# KiCad board PowerRF-AMP.kicad_pcb
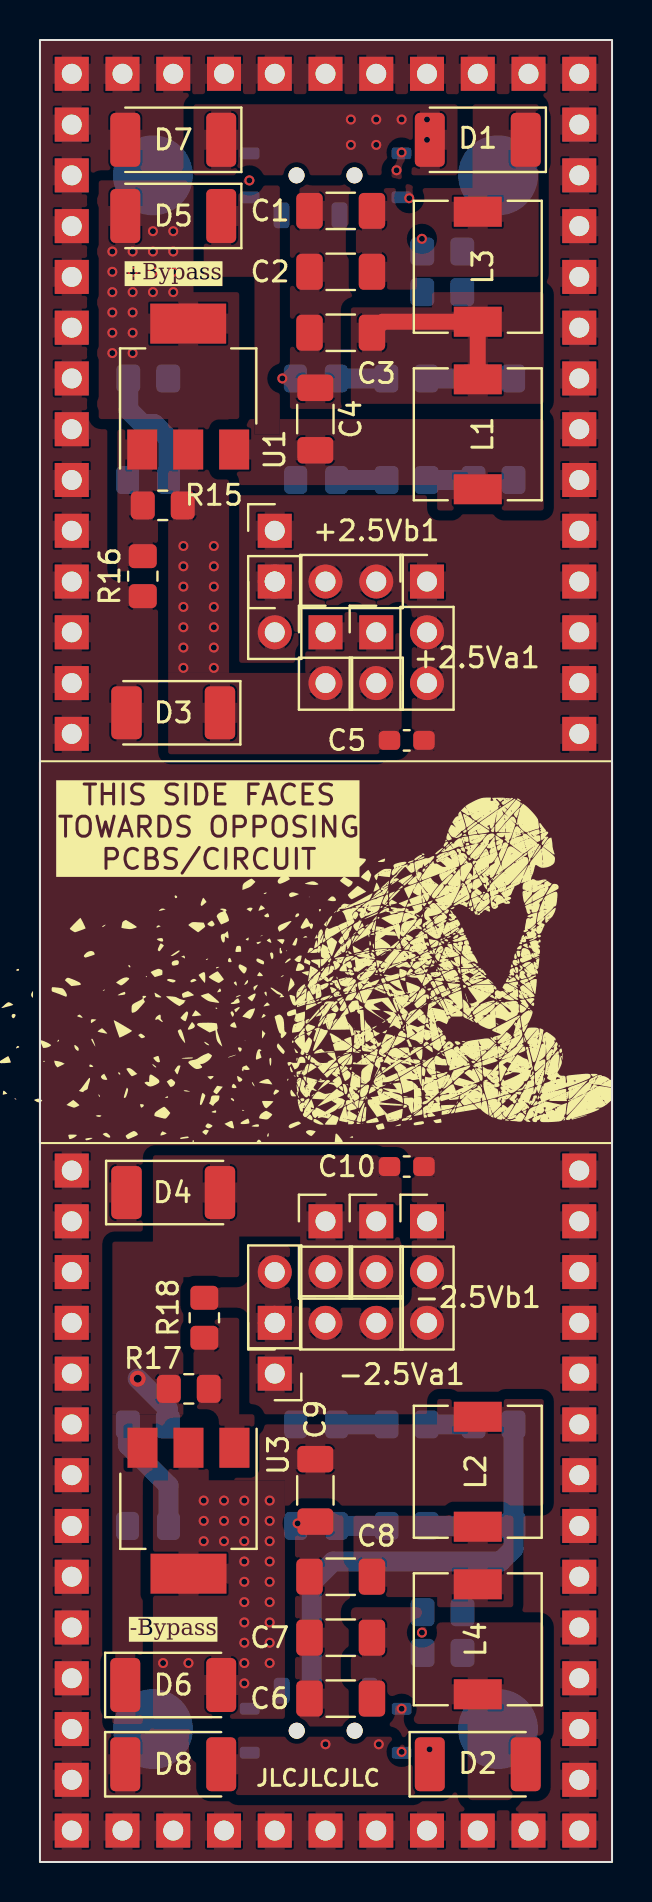
[diagram p0: board, top side]
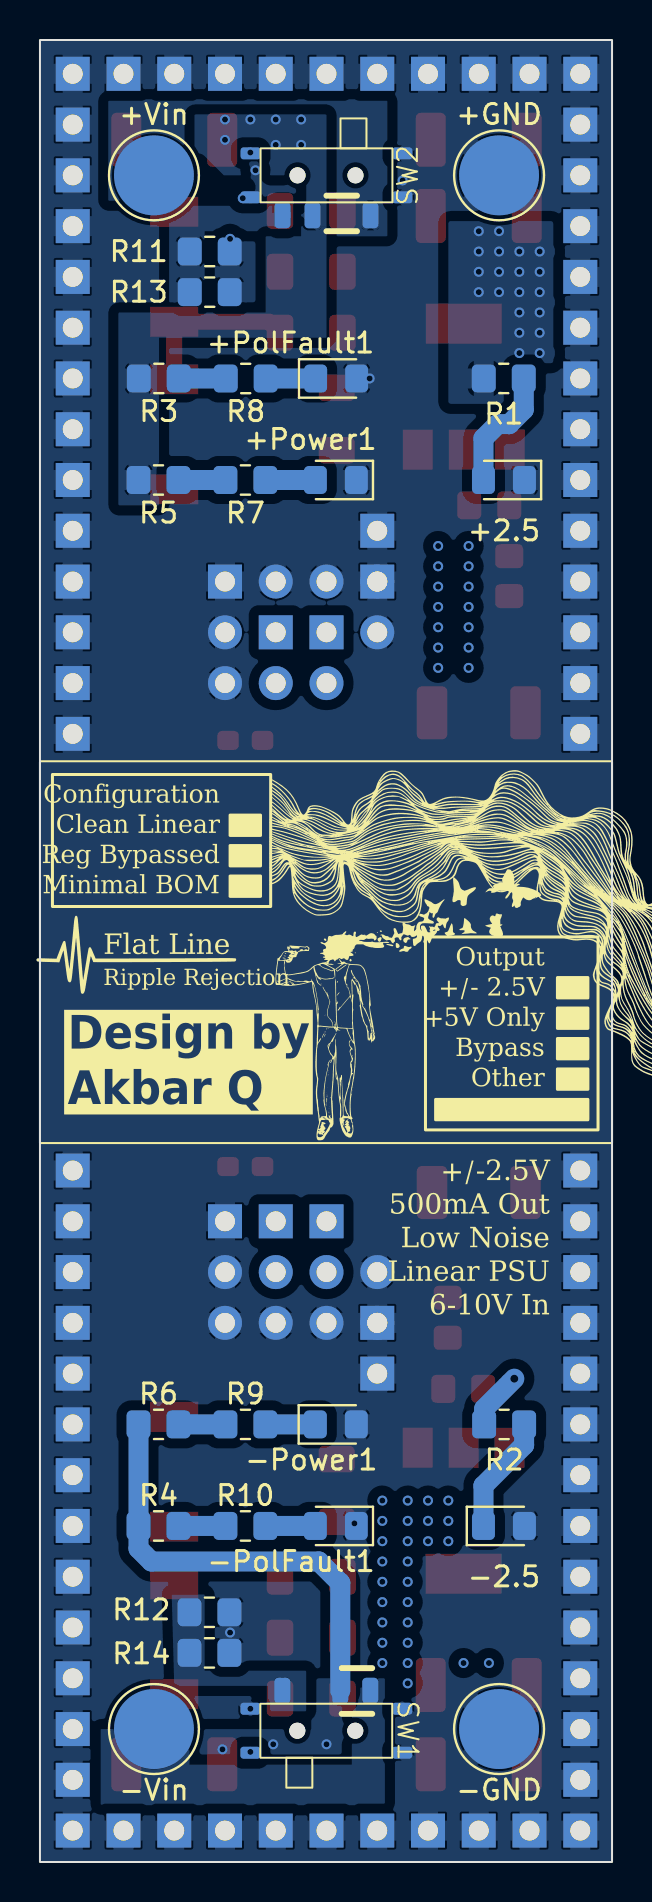
[diagram p1: board, bottom side, seen from below]

Outline 28.63 x 91.15 mm; copper layers: Top, In1.Cu, In2.Cu, Bottom. Coordinates in mm from the lower left corner of the outline.
Outline path: rectangle 0,91.15 28.63,0
Stack: Top 0.035mm / dielectric 0.1mm FR4 er 4.5 / In1.Cu 0.035mm / dielectric 1.24mm FR4 er 4.5 / In2.Cu 0.035mm / dielectric 0.1mm FR4 er 4.5 / Bottom 0.035mm

## Placement (name value [footprint] x y rotation side)
+2.5  LED  [LED_0805_2012Metric_Pad1.15x1.40mm_HandSolder]  5.41 69.14 0 bottom
+2.5Va1  Conn_01x02_Pin  [PinHeader_1x02_P2.54mm_Vertical]  14.29 61.52 0 top
+2.5Vb1  Conn_01x02_Pin  [PinHeader_1x02_P2.54mm_Vertical]  16.83 61.52 0 top
+G1  Conn_01x03  [PinHeader_1x03_P2.54mm_Vertical]  11.75 66.6 0 top
+G2  Conn_01x03  [PinHeader_1x03_P2.54mm_Vertical]  11.75 64.06 90 top
+G3  Conn_01x03  [PinHeader_1x03_P2.54mm_Vertical]  19.37 64.06 0 top
+GND  TestPoint  [TestPoint_Pad_D4.0mm]  5.65 84.38 180 bottom
+PolFault1  LED  [LED_0805_2012Metric_Pad1.15x1.40mm_HandSolder]  13.81 74.21 180 bottom
+Power1  LED  [LED_0805_2012Metric_Pad1.15x1.40mm_HandSolder]  13.82 69.14 0 bottom
+Vin  TestPoint  [TestPoint_Pad_D4.0mm]  22.93 84.38 180 bottom
-2.5  LED  [LED_0805_2012Metric_Pad1.15x1.40mm_HandSolder]  5.41 16.81 180 bottom
-2.5Va1  Conn_01x02_Pin  [PinHeader_1x02_P2.54mm_Vertical]  14.29 32.05 0 top
-2.5Vb1  Conn_01x02_Pin  [PinHeader_1x02_P2.54mm_Vertical]  16.83 32.05 0 top
-G1  Conn_01x03  [PinHeader_1x03_P2.54mm_Vertical]  19.37 32.05 0 top
-G2  Conn_01x03  [PinHeader_1x03_P2.54mm_Vertical]  11.75 26.97 90 top
-G3  Conn_01x03  [PinHeader_1x03_P2.54mm_Vertical]  11.75 24.43 180 top
-GND  TestPoint  [TestPoint_Pad_D4.0mm]  5.65 6.65 0 bottom
-PolFault1  LED  [LED_0805_2012Metric_Pad1.15x1.40mm_HandSolder]  13.82 16.81 0 bottom
-Power1  LED  [LED_0805_2012Metric_Pad1.15x1.40mm_HandSolder]  13.82 21.89 180 bottom
-Vin  TestPoint  [TestPoint_Pad_D4.0mm]  22.93 6.65 0 bottom
C1  2.2u  [C_1206_3216Metric_Pad1.33x1.80mm_HandSolder]  15.05 82.6 180 top
C2  2.2u  [C_1206_3216Metric_Pad1.33x1.80mm_HandSolder]  15.05 79.55 180 top
C3  2.2u  [C_1206_3216Metric_Pad1.33x1.80mm_HandSolder]  15.05 76.5 180 top
C4  2.2u  [C_1206_3216Metric_Pad1.33x1.80mm_HandSolder]  13.78 72.18 90 top
C5  100n  [C_0603_1608Metric_Pad1.08x0.95mm_HandSolder]  18.35 56.11 0 top
C6  2.2u  [C_1206_3216Metric_Pad1.33x1.80mm_HandSolder]  15.05 8.18 180 top
C7  2.2u  [C_1206_3216Metric_Pad1.33x1.80mm_HandSolder]  15.05 11.22 180 top
C8  2.2u  [C_1206_3216Metric_Pad1.33x1.80mm_HandSolder]  15.05 14.27 180 top
C9  2.2u  [C_1206_3216Metric_Pad1.33x1.80mm_HandSolder]  13.78 18.59 270 top
C10  100n  [C_0603_1608Metric_Pad1.08x0.95mm_HandSolder]  18.35 34.79 0 top
D1  Diode  [D_MELF]  21.91 86.15 180 top
D2  Diode  [D_MELF]  21.91 4.89 0 top
D3  D_Zener  [D_2010_5025Metric_Pad1.52x2.65mm_HandSolder]  6.67 57.49 180 top
D4  D_Zener  [D_2010_5025Metric_Pad1.52x2.65mm_HandSolder]  6.67 33.49 0 top
D5  Bypass  [D_MELF]  6.67 82.34 180 top
D6  Bypass  [D_MELF]  6.67 8.86 0 top
D7  PolFaultClamp-DNP  [D_MELF]  6.67 86.15 180 top
D8  PolFaultClamp-DNP  [D_MELF]  6.67 4.89 0 top
G***  -  [LOGO]  11.11 44.62 0 top
G***#2  -  [LOGO]  2.48 45.51 270 bottom
G***#3  -  [LOGO]  10.73 42.85 180 bottom
G***#4  -  [LOGO]  23.82 45.39 180 bottom
L1  L  [L_6.3x6.3_H3]  21.91 71.42 270 top
L2  L  [L_6.3x6.3_H3]  21.91 19.52 90 top
L3  L  [L_6.3x6.3_H3]  21.91 79.8 270 top
L4  L  [L_6.3x6.3_H3]  21.91 11.14 90 top
NOREF  -  [unnamed]  1.59 84.38 0 top
NOREF#2  -  [unnamed]  1.59 34.59 180 top
NOREF#3  -  [unnamed]  26.99 69.14 0 top
NOREF#4  -  [unnamed]  26.99 74.22 0 top
NOREF#5  -  [unnamed]  26.99 64.06 0 top
NOREF#6  -  [unnamed]  14.29 89.46 0 top
NOREF#7  -  [unnamed]  26.99 71.68 0 top
NOREF#8  -  [unnamed]  26.99 24.43 180 top
NOREF#9  -  [unnamed]  1.59 66.6 0 top
NOREF#10  -  [unnamed]  1.59 89.46 0 top
NOREF#11  -  [unnamed]  26.99 61.52 0 top
NOREF#12  -  [unnamed]  1.59 24.43 180 top
NOREF#13  -  [unnamed]  1.59 74.22 0 top
NOREF#14  -  [unnamed]  26.99 32.05 180 top
NOREF#15  -  [unnamed]  24.45 89.46 0 top
NOREF#16  -  [unnamed]  26.99 6.65 180 top
NOREF#17  -  [unnamed]  21.91 89.46 0 top
NOREF#18  -  [unnamed]  16.83 89.46 0 top
NOREF#19  -  [unnamed]  26.99 14.27 180 top
NOREF#20  -  [unnamed]  26.99 16.81 180 top
NOREF#21  -  [unnamed]  26.99 19.35 180 top
NOREF#22  -  [unnamed]  1.59 76.76 0 top
NOREF#23  -  [unnamed]  26.99 29.51 180 top
NOREF#24  -  [unnamed]  26.99 21.89 180 top
NOREF#25  -  [unnamed]  11.75 1.57 180 top
NOREF#26  -  [unnamed]  1.59 79.3 0 top
NOREF#27  -  [unnamed]  4.13 1.57 180 top
NOREF#28  -  [unnamed]  19.37 1.57 180 top
NOREF#29  -  [unnamed]  1.59 56.44 0 top
NOREF#30  -  [unnamed]  1.59 21.89 180 top
NOREF#31  -  [unnamed]  21.91 1.57 180 top
NOREF#32  -  [unnamed]  26.99 79.3 0 top
NOREF#33  -  [unnamed]  26.99 58.98 0 top
NOREF#34  -  [unnamed]  26.99 66.6 0 top
NOREF#35  -  [unnamed]  26.99 9.19 180 top
NOREF#36  -  [unnamed]  1.59 58.98 0 top
NOREF#37  -  [unnamed]  1.59 14.27 180 top
NOREF#38  -  [unnamed]  1.59 4.11 180 top
NOREF#39  -  [unnamed]  1.59 19.35 180 top
NOREF#40  -  [unnamed]  1.59 1.57 180 top
NOREF#41  -  [unnamed]  9.21 1.57 180 top
NOREF#42  -  [unnamed]  26.99 76.76 0 top
NOREF#43  -  [unnamed]  4.13 89.46 0 top
NOREF#44  -  [unnamed]  9.21 89.46 0 top
NOREF#45  -  [unnamed]  16.83 1.57 180 top
NOREF#46  -  [unnamed]  1.59 26.97 180 top
NOREF#47  -  [unnamed]  11.75 89.46 0 top
NOREF#48  -  [unnamed]  1.59 61.52 0 top
NOREF#49  -  [unnamed]  1.59 86.92 0 top
NOREF#50  -  [unnamed]  1.59 64.06 0 top
NOREF#51  -  [unnamed]  6.67 1.57 180 top
NOREF#52  -  [unnamed]  14.29 1.57 180 top
NOREF#53  -  [unnamed]  1.59 11.73 180 top
NOREF#54  -  [unnamed]  1.59 71.68 0 top
NOREF#55  -  [unnamed]  1.59 32.05 180 top
NOREF#56  -  [unnamed]  1.59 69.14 0 top
NOREF#57  -  [unnamed]  26.99 26.97 180 top
NOREF#58  -  [unnamed]  26.99 1.57 180 top
NOREF#59  -  [unnamed]  1.59 29.51 180 top
NOREF#60  -  [unnamed]  26.99 84.38 0 top
NOREF#61  -  [unnamed]  26.99 86.92 0 top
NOREF#62  -  [unnamed]  26.99 4.11 180 top
NOREF#63  -  [unnamed]  26.99 89.46 0 top
NOREF#64  -  [unnamed]  1.59 16.81 180 top
NOREF#65  -  [unnamed]  26.99 56.44 0 top
NOREF#66  -  [unnamed]  24.45 1.57 180 top
NOREF#67  -  [unnamed]  19.37 89.46 0 top
NOREF#68  -  [unnamed]  26.99 81.84 0 top
NOREF#69  -  [unnamed]  26.99 34.59 180 top
NOREF#70  -  [unnamed]  1.59 81.84 0 top
NOREF#71  -  [unnamed]  1.59 9.19 180 top
NOREF#72  -  [unnamed]  26.99 11.73 180 top
NOREF#73  -  [unnamed]  1.59 6.65 180 top
NOREF#74  -  [unnamed]  6.67 89.46 0 top
R1  680R  [R_0805_2012Metric_Pad1.20x1.40mm_HandSolder]  5.42 74.22 180 bottom
R2  680R  [R_0805_2012Metric_Pad1.20x1.40mm_HandSolder]  5.4 21.89 180 bottom
R3  680R  [R_0805_2012Metric_Pad1.20x1.40mm_HandSolder]  22.68 74.22 0 bottom
R4  680R  [R_0805_2012Metric_Pad1.20x1.40mm_HandSolder]  22.7 16.81 0 bottom
R5  680R  [R_0805_2012Metric_Pad1.20x1.40mm_HandSolder]  22.7 69.14 0 bottom
R6  680R  [R_0805_2012Metric_Pad1.20x1.40mm_HandSolder]  22.7 21.89 0 bottom
R7  680R  [R_0805_2012Metric_Pad1.20x1.40mm_HandSolder]  18.35 69.14 0 bottom
R8  680R  [R_0805_2012Metric_Pad1.20x1.40mm_HandSolder]  18.33 74.21 0 bottom
R9  680R  [R_0805_2012Metric_Pad1.20x1.40mm_HandSolder]  18.35 21.89 0 bottom
R10  680R  [R_0805_2012Metric_Pad1.20x1.40mm_HandSolder]  18.35 16.81 0 bottom
R11  680R  [R_0805_2012Metric_Pad1.20x1.40mm_HandSolder]  20.13 80.57 180 bottom
R12  680R  [R_0805_2012Metric_Pad1.20x1.40mm_HandSolder]  20.15 12.49 180 bottom
R13  680R  [R_0805_2012Metric_Pad1.20x1.40mm_HandSolder]  20.13 78.53 180 bottom
R14  680R  [R_0805_2012Metric_Pad1.20x1.40mm_HandSolder]  20.15 10.46 180 bottom
R15  680R  [R_0805_2012Metric_Pad1.20x1.40mm_HandSolder]  6.15 67.87 0 top
R16  680R  [R_0805_2012Metric_Pad1.20x1.40mm_HandSolder]  5.15 64.33 90 top
R17  680R  [R_0805_2012Metric_Pad1.20x1.40mm_HandSolder]  7.45 23.67 180 top
R18  680R  [R_0805_2012Metric_Pad1.20x1.40mm_HandSolder]  8.23 27.23 270 top
SW1  SW_SPDT  [SPDT-Long-SMD]  14.3 6.57 90 bottom
SW2  SW_SPDT  [SPDT-Long-SMD]  14.29 84.38 270 bottom
U1  LM317_SOT-223  [SOT-223-3_TabPin2]  7.42 73.81 90 top
U3  LM337_SOT223  [SOT-223-3_TabPin2]  7.43 17.57 270 top

## Library data of the parts
+2.5 +PolFault1 +Power1 -2.5 -PolFault1 -Power1 = -: Description: Light emitting diode
+2.5Va1 +2.5Vb1 -2.5Va1 -2.5Vb1 = -: Description: Generic connector, single row, 01x02, script generated
+G1-+G3 -G1--G3 = -: Description: Generic connector, single row, 01x03, script generated (kicad-library-utils/schlib/autogen/connector/)
+GND +Vin -GND -Vin = -: Description: test point
C1-C10 = -: Description: Unpolarized capacitor
D1 D2 D5-D8 = -: Description: 1N4148 (DO-35) or 1N4148W (SOD-123); Sim.Device: D; Sim.Pins: 1=K 2=A
D3 D4 = -: Description: Zener diode
L1-L4 = -: Description: Inductor
R1-R18 = -: Description: Resistor
SW1 SW2 = -: Description: Switch, single pole double throw
U1 = -: Description: 1.5A 35V Adjustable Linear Regulator, SOT-223
U3 = -: Description: Negative 1A 35V Adjustable Linear Regulator, SOT-223

## Footprints (pads in the part's own frame, mm; a bottom-side part is the same pattern mirrored in y, then rotated)
C_0603_1608Metric_Pad1.08x0.95mm_HandSolder
  rrect 1.075x0.95 smd: 1(-0.863,0) 2(0.863,0)
C_1206_3216Metric_Pad1.33x1.80mm_HandSolder
  rrect 1.325x1.8 smd: 1(-1.562,0) 2(1.562,0)
D_2010_5025Metric_Pad1.52x2.65mm_HandSolder
  rrect 1.525x2.65 smd: 1(-2.337,0) 2(2.337,0)
D_MELF
  rrect 1.5x2.7 smd: 1(-2.4,0) 2(2.4,0)
L_6.3x6.3_H3
  rect 1.5x2.4 smd: 1(-2.75,0) 2(2.75,0)
LED_0805_2012Metric_Pad1.15x1.40mm_HandSolder
  rrect 1.15x1.4 smd: 1(-1.025,0) 2(1.025,0)
PinHeader_1x02_P2.54mm_Vertical
  rect 1.7x1.7 hole 1: 1(0,0)
  oval 1.7x1.7 hole 1: 2(0,-2.54)
PinHeader_1x03_P2.54mm_Vertical
  rect 1.7x1.7 hole 1: 1(0,0)
  oval 1.7x1.7 hole 1: 2(0,-2.54) 3(0,-5.08)
R_0805_2012Metric_Pad1.20x1.40mm_HandSolder
  rrect 1.2x1.4 smd: 1(-1,0) 2(1,0)
SOT-223-3_TabPin2
  rect 2x1.5 smd: 1(-3.15,2.3) 2(-3.15,0) 3(-3.15,-2.3)
  rect 2x3.8 smd: 2(3.15,0)
SPDT-Long-SMD
  round 0.8 hole 0.8 unplated: (0,-1.45) (0,1.45)
  rrect 0.6x1 smd: 0(-1.1,-3.8) 0(-1.1,3.8) 0(1.1,-3.8) 0(1.1,3.8)
  rrect 1.3x0.8 smd: 1(2,2.2) 2(2,-0.7) 3(2,-2.2)
TestPoint_Pad_D4.0mm
  round 4 smd: 1(0,0)
unnamed
  rect 1.7x1.7 hole 1: 1(0,0)

## Nets
GND: +2.5.1 +G1.1 +G1.2 +G1.3 +G2.1 +G2.2 +G2.3 +G3.1 +G3.2 +G3.3 +GND.1 +PolFault1.2 +Power1.1 -2.5.2 -G1.1 -G1.2 -G1.3 -G2.1 -G2.2 -G2.3 -G3.1 -G3.2 -G3.3 -GND.1 -PolFault1.1 -Power1.2 C1.2 C2.2 C3.2 C4.2 C5.2 C6.2 C7.2 C8.2 C9.2 C10.2 D3.2 D4.1 D7.2 D8.1 NOREF.1 NOREF#2.1 NOREF#3.1 NOREF#4.1 NOREF#5.1 NOREF#6.1 NOREF#7.1 NOREF#8.1 NOREF#9.1 NOREF#10.1 NOREF#11.1 NOREF#12.1 NOREF#13.1 NOREF#14.1 NOREF#15.1 NOREF#16.1 NOREF#17.1 NOREF#18.1 NOREF#19.1 NOREF#20.1 NOREF#21.1 NOREF#22.1 NOREF#23.1 NOREF#24.1 NOREF#25.1 NOREF#26.1 NOREF#27.1 NOREF#28.1 NOREF#29.1 NOREF#30.1 NOREF#31.1 NOREF#32.1 NOREF#33.1 NOREF#34.1 NOREF#35.1 NOREF#36.1 NOREF#37.1 NOREF#38.1 NOREF#39.1 NOREF#40.1 NOREF#41.1 NOREF#42.1 NOREF#43.1 NOREF#44.1 NOREF#45.1 NOREF#46.1 NOREF#47.1 NOREF#48.1 NOREF#49.1 NOREF#50.1 NOREF#51.1 NOREF#52.1 NOREF#53.1 NOREF#54.1 NOREF#55.1 NOREF#56.1 NOREF#57.1 NOREF#58.1 NOREF#59.1 NOREF#60.1 NOREF#61.1 NOREF#62.1 NOREF#63.1 NOREF#64.1 NOREF#65.1 NOREF#66.1 NOREF#67.1 NOREF#68.1 NOREF#69.1 NOREF#70.1 NOREF#71.1 NOREF#72.1 NOREF#73.1 NOREF#74.1 R11.2 R12.2 R13.2 R14.2 R16.1 R18.1 SW1.0 SW2.0
Net-(+5-A): +2.5.2 R1.2
Net-(+5Va1-Pin_1): +2.5Va1.1 +2.5Va1.2 +2.5Vb1.1 +2.5Vb1.2 C5.1 D3.1 D5.2 R1.1 R15.2 U1.2
Net-(+PolFault1-K): +PolFault1.1 R8.1
Net-(+Power1-A): +Power1.2 R7.1
Net-(-5-K): -2.5.1 R2.2
Net-(-5Va1-Pin_1): -2.5Va1.1 -2.5Va1.2 -2.5Vb1.1 -2.5Vb1.2 C10.1 D4.2 D6.1 R2.1 R17.2 U3.3
Net-(-PolFault1-A): -PolFault1.2 R10.1
Net-(-Power1-K): -Power1.1 R9.1
Net-(C3-Pad1): C3.1 L1.1 L3.2
Net-(C8-Pad1): C8.1 L2.1 L4.2
Net-(D1-A): D1.2 D7.1 R3.2 R5.2 SW2.2
Net-(D1-K): C1.1 C2.1 D1.1 L3.1
Net-(D2-A): C6.1 C7.1 D2.2 L4.1
Net-(D2-K): D2.1 D8.2 R4.2 R6.2 SW1.2
Net-(D5-K): C4.1 D5.1 L1.2 U1.3
Net-(D6-A): C9.1 D6.2 L2.2 U3.2
Net-(R3-Pad1): R3.1 R8.2
Net-(R5-Pad1): R5.1 R7.2
Net-(R6-Pad1): R6.1 R9.2
Net-(R10-Pad2): R4.1 R10.2
Net-(SW1-A): R12.1 R14.1 SW1.1
Net-(SW1-C): -Vin.1 SW1.3
Net-(SW2-A): +Vin.1 SW2.1
Net-(SW2-C): R11.1 R13.1 SW2.3
Net-(U1-ADJ): R15.1 R16.2 U1.1
Net-(U3-ADJ): R17.1 R18.2 U3.1

## Via types
v1: diameter 0.5, hole 0.3, Top to Bottom, 81 vias
v2: diameter 0.8, hole 0.4, Top to Bottom, 1 via

## Routing (per net, layer and track width the routed paths; a pad name or vN(x,y) marks a point on that pad's centre or on a via; arc(x,y) is an arc through that point)
GND:
  vias: v1(10.48,84.12) v1(12.13,74.22) v1(12.89,16.94) v1(17.85,84.63) v1(18.1,85.52) v1(18.1,7.67) v1(18.1,5.51) v1(18.48,83.23) v1(19.12,81.2) v1(19.12,11.48)
(no net): length 3.5
  Bottom w0: 18.34,83.78 19.54,83.78 20.73,84.97 20.73,84.38
Net-(+5-A): length 6.3
  Bottom w1: +2.5.2 6.43,71.22 5.72,71.93 5.15,71.93 4.42,72.66 R1.2
Net-(+5Va1-Pin_1):
  vias: v1(3.62,80.57) v1(3.62,79.55) v1(3.62,78.53) v1(3.62,77.52) v1(3.62,76.5) v1(3.62,75.49) v1(4.64,80.57) v1(4.64,79.55) v1(4.64,78.53) v1(4.64,77.52) v1(4.64,76.5) v1(4.64,75.49) v1(5.65,81.58) v1(5.65,80.57) v1(5.65,79.55) v1(5.65,78.53) v1(6.67,81.58) v1(6.67,80.57) v1(6.67,79.55) v1(6.67,78.53) v1(7.18,65.83) v1(7.18,64.82) v1(7.18,63.8) v1(7.18,62.79) v1(7.18,61.77) v1(7.18,60.75) v1(7.18,59.74) v1(8.7,65.83) v1(8.7,64.82) v1(8.7,63.8) v1(8.7,62.79) v1(8.7,61.77) v1(8.7,60.75) v1(8.7,59.74)
Net-(+PolFault1-K): length 2.5
  Bottom w1: +PolFault1.1 17.33,74.21
Net-(+Power1-A): length 2.5
  Bottom w1: +Power1.2 R7.1
Net-(-5-K): length 5.9
  Bottom w1: -2.5.1 6.43,18.83 4.4,20.86 R2.2
Net-(-5Va1-Pin_1): length 2.9
  Bottom w1: v2(4.89,24.18) 6.4,22.67 R2.1
Net-(-PolFault1-A): length 2.5
  Bottom w1: R10.1 -PolFault1.2
Net-(-Power1-K): length 2.5
  Bottom w1: -Power1.1 R9.1
Net-(C3-Pad1): length 8.4
  Top w0.8: C3.1 17.17,77.05 L3.2 L1.1
Net-(D1-A):
  vias: v1(15.56,87.17) v1(15.56,85.9) v1(16.83,87.17) v1(16.83,85.9) v1(18.1,87.17) v1(19.37,87.17) v1(19.37,86.15)
Net-(D2-K): length 22.4
  Bottom w1: SW1.2 13.6,13.96 14.67,15.03 23.05,15.03 23.7,15.68 R4.2 R6.2
  vias: v1(14.29,5.89) v1(16.96,5.89) v1(19.5,5.64)
Net-(D6-A):
  vias: v1(6.16,9.95) v1(7.43,9.95) v1(8.19,18.08) v1(8.19,17.07) v1(8.19,16.05) v1(9.21,18.08) v1(9.21,17.07) v1(9.21,16.05) v1(10.23,18.08) v1(10.23,17.07) v1(10.23,16.05) v1(10.23,15.03) v1(10.23,14.02) v1(10.23,13) v1(10.23,11.99) v1(10.23,10.97) v1(10.23,9.95) v1(10.23,8.94) v1(11.5,18.08) v1(11.5,17.07) v1(11.5,16.05) v1(11.5,15.03) v1(11.5,14.02) v1(11.5,13) v1(11.5,11.99) v1(11.5,10.97) v1(11.5,9.95)
Net-(R3-Pad1): length 2.3
  Bottom w1: R8.2 21.68,74.21 R3.1
Net-(R5-Pad1): length 2.3
  Bottom w1: R7.2 R5.1
Net-(R6-Pad1): length 2.3
  Bottom w1: R9.2 R6.1
Net-(R10-Pad2): length 2.3
  Bottom w1: R10.2 R4.1

## Copper pours and planes (outline as drawn; the poured copper is in the pictures)
GND on Top, Bottom, In1.Cu, In2.Cu: 28.77,91.23 28.77,0.05 -0.19,0.05 -0.19,91.23
Net-(+5Va1-Pin_1) on Top: 13.27,59.48 13.27,62.53 18.1,62.53 18.1,55.42 6.42,55.42 6.42,59.48
Net-(+5Va1-Pin_1) on Top, In1.Cu: 9.46,72.18 9.46,56.44 6.42,56.44 6.42,72.18 2.86,72.18 2.86,84.12 7.69,84.12 7.69,78.53 9.97,78.53 9.97,72.18
Net-(+5Va1-Pin_1) on Bottom: 2.86,82.09 8.19,82.09 8.19,72.95 5.15,72.95 5.15,74.98 2.86,74.98
Net-(-5Va1-Pin_1) on Top: 7.18,22.91 7.18,18.34 5.15,18.34 5.15,6.91 3.62,6.91 3.62,22.91
Net-(-5Va1-Pin_1) on Top: 7.18,22.4 3.62,22.4 3.62,31.04 5.65,31.04 5.65,35.35 18.1,35.35 18.1,28.24 13.02,28.24 13.02,31.29 9.97,31.29 9.97,29.26 7.18,29.26
Net-(C3-Pad1) on Top: 15.56,77.77 15.56,72.95 25.21,72.95 25.21,78.53 19.62,78.53 19.62,77.77
Net-(C8-Pad1) on Top: 15.69,13.26 15.69,17.45 23.69,17.45 23.69,12.75 19.88,12.75 19.88,13.26
Net-(D1-A) on Top: 7.69,84.38 20.89,84.38 20.89,87.93 7.69,87.93
Net-(D1-A) on Bottom: 15.31,81.84 14.29,81.84 14.29,87.42 20.89,87.42 20.89,84.38 15.31,84.38
Net-(D1-A) on Bottom: 14.29,82.85 15.56,82.85 15.56,81.33 17.34,81.33 17.34,77.52 24.7,77.52 24.7,67.87 22.67,67.87 22.67,76.25 14.29,76.25
Net-(D1-K) on Top: 21.66,87.93 21.66,83.74 15.81,83.74 15.81,78.66 18.86,78.66 18.86,79.3 24.96,79.3 24.96,87.93
Net-(D2-A) on Top: 21.4,3.1 21.4,6.91 15.56,6.91 15.56,12.75 19.12,12.75 19.12,11.99 25.21,11.99 25.21,3.1
Net-(D2-K) on Top: 8.07,3.35 20.51,3.35 20.39,6.27 7.94,6.27
Net-(D2-K) on Bottom: 13.27,9.19 13.27,5 20.89,5 20.89,6.65 15.05,6.65 15.05,9.19
Net-(D5-K) on Top: 25.21,72.18 8.7,72.18 8.7,68.88 19.88,68.88 19.88,67.61 25.21,67.61
Net-(D5-K) on Top: 8.19,83.87 8.19,79.3 10.73,79.3 10.73,71.42 12,71.42 12,83.87
Net-(D6-A) on Top: 25.21,17.83 9.72,17.83 9.72,21.89 19.88,21.89 19.88,23.16 25.21,23.16
Net-(D6-A) on Top, In1.Cu: 12.26,19.1 12.26,7.16 5.65,7.16 5.65,19.1 6.42,19.1 6.42,22.15 8.45,22.15 8.45,19.1
Net-(SW1-A) on Bottom: 15.31,7.54 17.21,7.54 17.21,8.81 21.91,8.81 22.04,13.38 20.39,13.38 20.39,9.57 15.31,9.57
Net-(SW1-C) on Bottom: 21.15,6.65 25.59,6.65 25.59,2.84 11.37,2.84 11.37,9.19 13.02,9.19 13.02,4.87 21.15,4.87
Net-(SW2-A) on Bottom: 25.21,83.11 19.62,83.11 19.62,86.15 14.04,86.15 14.04,81.33 11.24,81.33 11.24,88.19 25.21,88.19
Net-(SW2-C) on Bottom: 16.07,82.85 22.16,82.85 22.16,77.52 20.39,77.52 20.39,81.58 16.07,81.58
Net-(U1-ADJ) on Top: 5.91,71.68 5.91,64.56 3.88,64.56 3.88,71.68
Net-(U3-ADJ) on Top: 7.43,27.23 7.43,25.19 7.69,25.19 7.69,22.4 8.7,22.4 8.7,19.61 10.73,19.61 10.73,22.4 9.97,22.4 9.97,27.23

## Text on the board
B.Silkscreen: Design by / Akbar Q | Output / +/- 2.5V / +5V Only / Bypass / Other | Configuration / Clean Linear / Reg Bypassed / Minimal BOM | +/-2.5V / 500mA Out / Low Noise / Linear PSU / 6-10V In | Ripple Rejection | Flat Line
F.Silkscreen: JLCJLCJLC | THIS SIDE FACES / TOWARDS OPPOSING / PCBS/CIRCUIT | +Bypass | -Bypass
